# KiCad board k410t-devboard.kicad_pcb (continued)
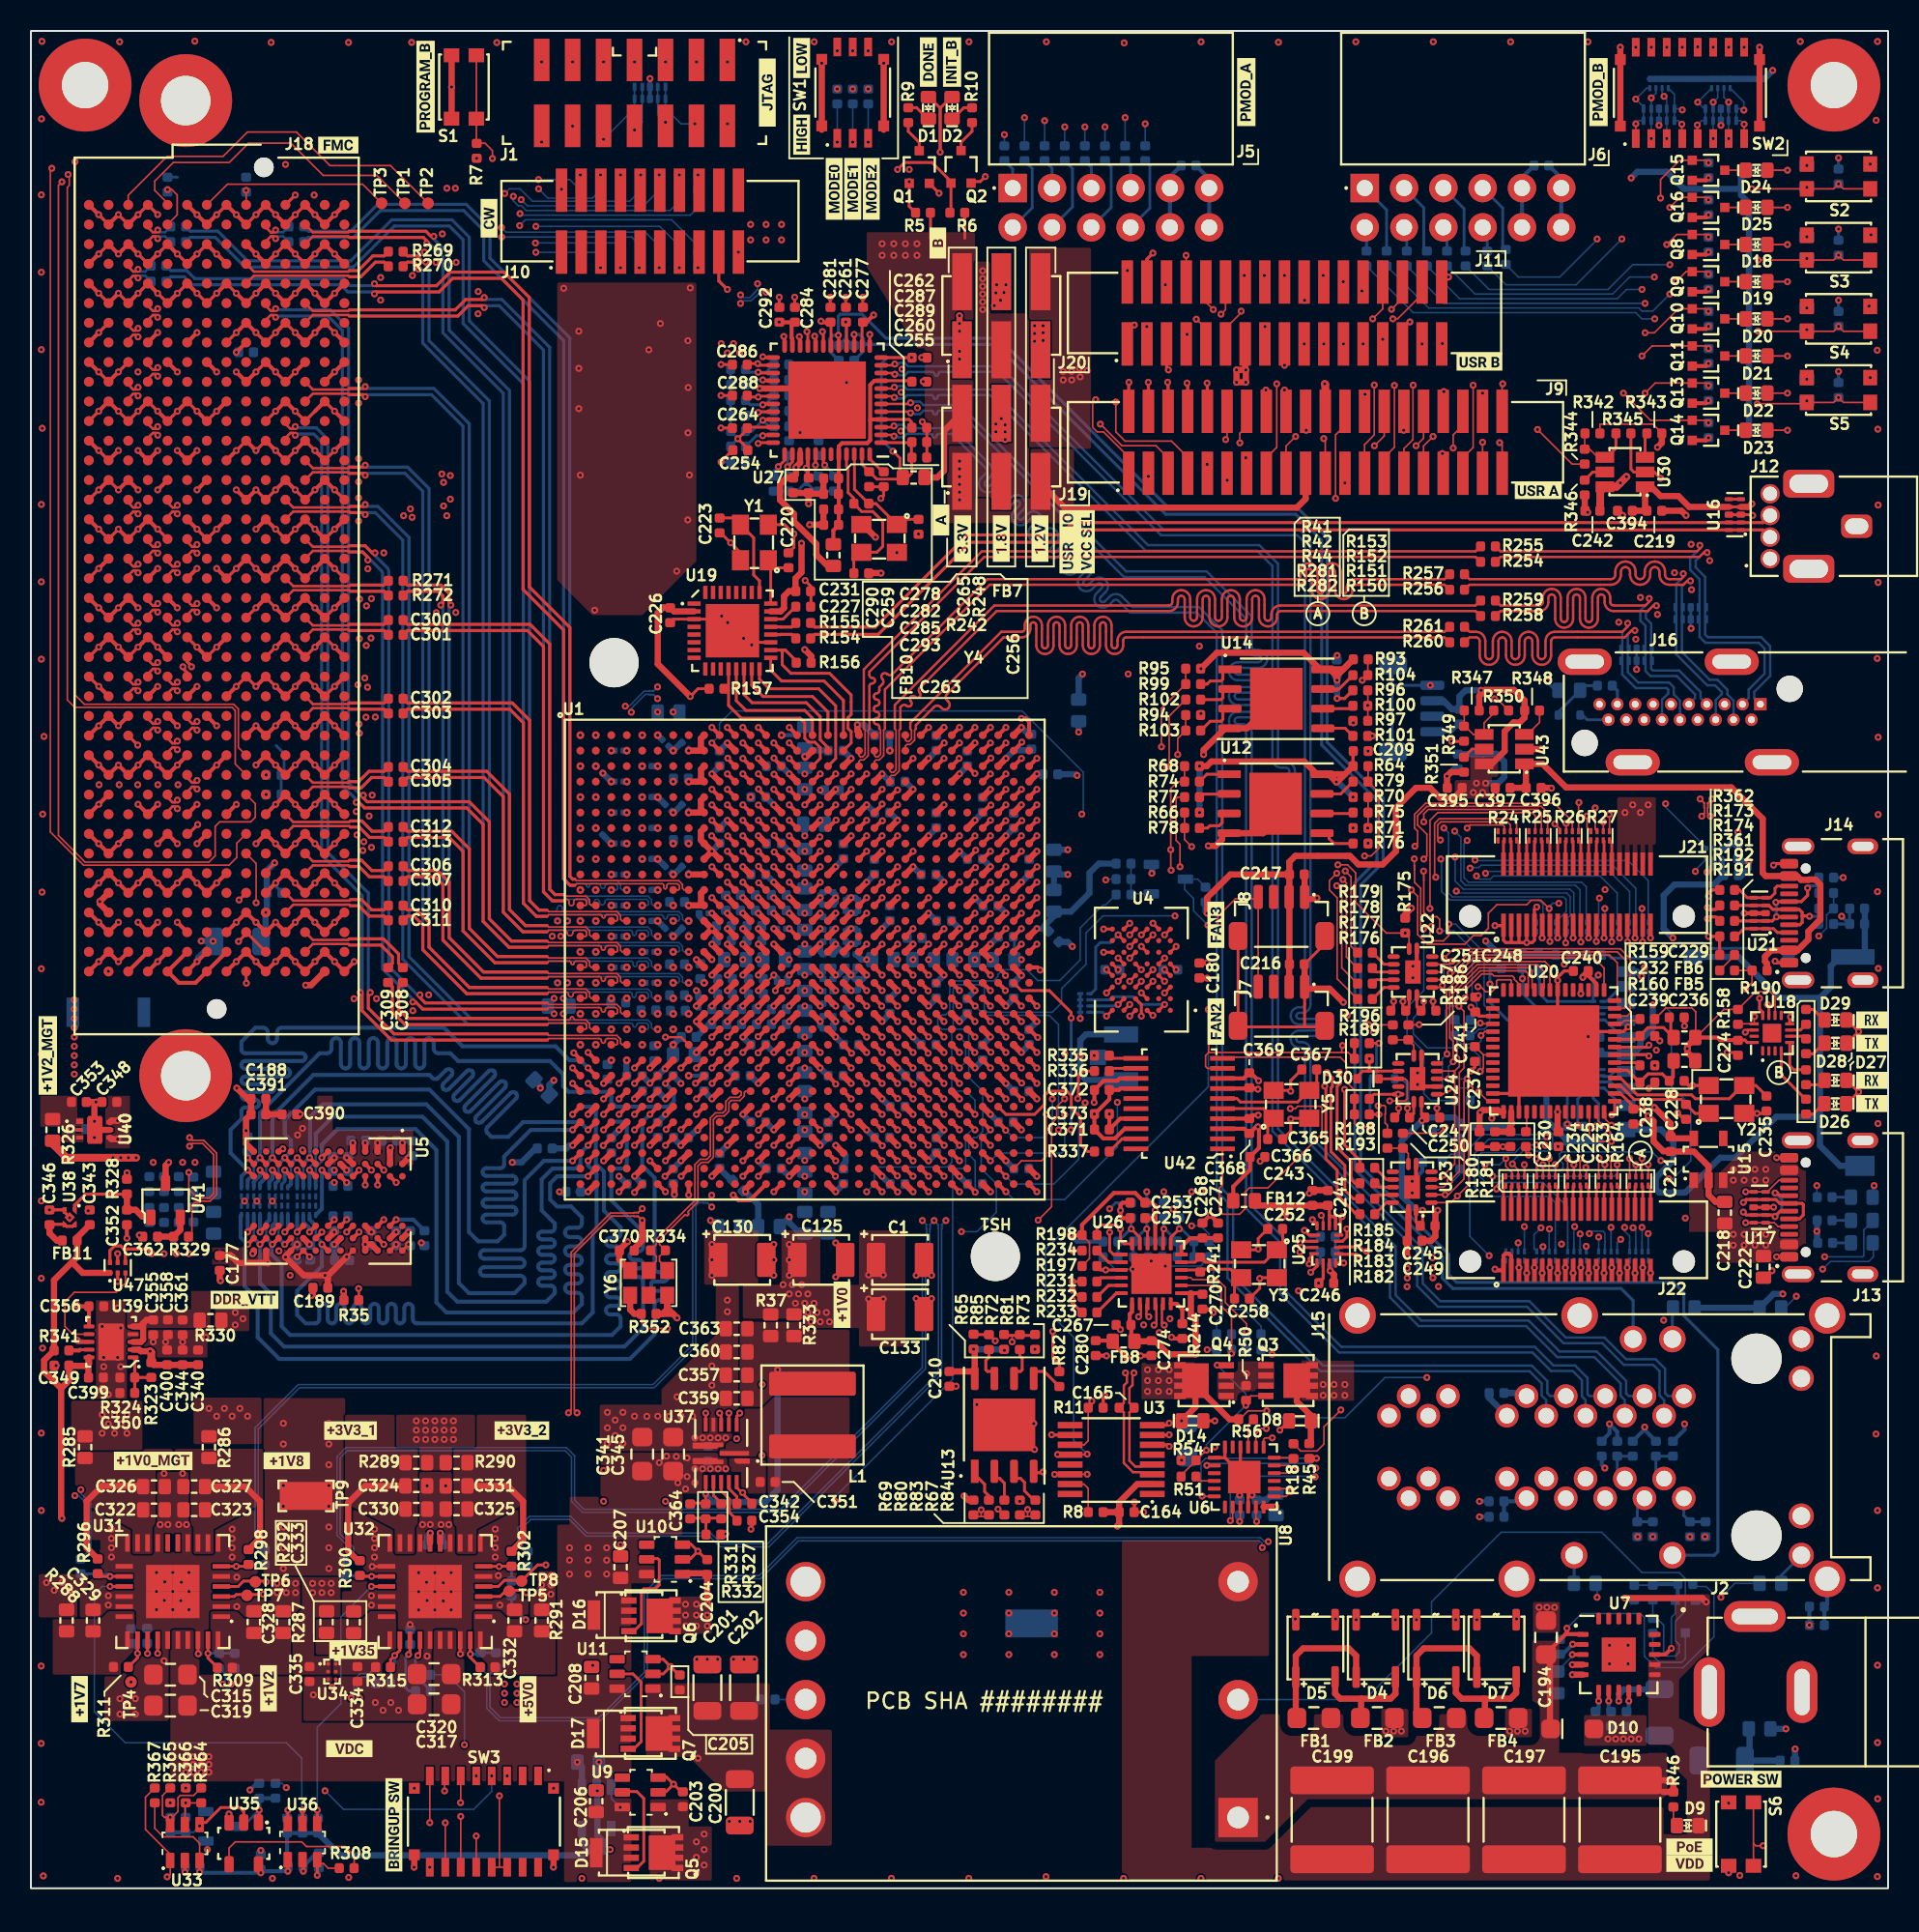
[diagram p0: board, top side]
## Placement (name value [footprint] x y rotation side) (continued)
C294  C_100n_0402  [C_0402_1005Metric]  23.15 48.3 180 bottom
C295  C_100n_0402  [C_0402_1005Metric]  20.5 46.8 90 bottom
C296  C_100n_0402  [C_0402_1005Metric]  15.75 64.31 180 bottom
C297  C_47u_16V_1206  [C_1206_3216Metric]  13.36 61.17 0 bottom
C298  C_100n_0402  [C_0402_1005Metric]  17.15 107.36 180 bottom
C299  C_100n_0402  [C_0402_1005Metric]  17.15 106.36 180 bottom
C300  C_100n_0402  [C_0402_1005Metric]  23.57 81.94 180 top
C301  C_100n_0402  [C_0402_1005Metric]  23.57 80.98 180 top
C302  C_100n_0402  [C_0402_1005Metric]  23.57 76.86 180 top
C303  C_100n_0402  [C_0402_1005Metric]  23.57 75.9 180 top
C304  C_100n_0402  [C_0402_1005Metric]  23.57 72.44 180 top
C305  C_100n_0402  [C_0402_1005Metric]  23.57 71.49 180 top
C306  C_100n_0402  [C_0402_1005Metric]  23.57 66.03 180 top
C307  C_100n_0402  [C_0402_1005Metric]  23.57 65.08 180 top
C308  C_100n_0402  [C_0402_1005Metric]  24.03 59 90 top
C309  C_100n_0402  [C_0402_1005Metric]  23.08 59 90 top
C310  C_100n_0402  [C_0402_1005Metric]  23.57 63.49 180 top
C311  C_100n_0402  [C_0402_1005Metric]  23.57 62.54 180 top
C312  C_100n_0402  [C_0402_1005Metric]  23.57 68.57 180 top
C313  C_100n_0402  [C_0402_1005Metric]  23.57 67.62 180 top
C314  C_1u_25V_0603  [C_0603_1608Metric]  36 8.15 0 bottom
C315  C_22u_25V_0805  [C_0805_2012Metric]  9.01 13.8 0 top
C316  C_1u_0402  [C_0402_1005Metric]  7.51 16.31 270 bottom
C317  C_22u_25V_0805  [C_0805_2012Metric]  26.05 11.89 0 top
C318  C_1u_0402  [C_0402_1005Metric]  24.5 16.24 270 bottom
C319  C_22u_25V_0805  [C_0805_2012Metric]  9.01 11.8 0 top
C320  C_22u_25V_0805  [C_0805_2012Metric]  26.05 13.84 0 top
C321  C_1u_0402  [C_0402_1005Metric]  36.5 2.5 180 bottom
C322  C_22u_0603  [C_0603_1608Metric]  7.95 24.45 180 top
C323  C_22u_0603  [C_0603_1608Metric]  10.55 24.45 0 top
C324  C_22u_0603  [C_0603_1608Metric]  24.9 26 180 top
C325  C_22u_0603  [C_0603_1608Metric]  27.5 24.5 0 top
C326  C_22u_0603  [C_0603_1608Metric]  7.95 25.95 180 top
C327  C_22u_0603  [C_0603_1608Metric]  10.55 25.95 0 top
C328  C_22u_0603  [C_0603_1608Metric]  14.4 17.2 270 top
C329  C_22u_0603  [C_0603_1608Metric]  4.01 17.3 270 top
C330  C_22u_0603  [C_0603_1608Metric]  24.9 24.5 180 top
C331  C_22u_0603  [C_0603_1608Metric]  27.5 26 0 top
C332  C_22u_0603  [C_0603_1608Metric]  31.25 17.3 270 top
C333  C_22u_0603  [C_0603_1608Metric]  20.85 17.19 270 top
C334  C_1u_0402  [C_0402_1005Metric]  21.1 13.84 90 top
C335  C_1u_0402  [C_0402_1005Metric]  18 13.84 90 top
C336  C_100n_0402  [C_0402_1005Metric]  10.45 1.4 0 bottom
C337  C_100n_0402  [C_0402_1005Metric]  14.85 1.7 270 bottom
C338  C_100n_0402  [C_0402_1005Metric]  17.1 1.4 180 bottom
C339  C_100n_0402  [C_0402_1005Metric]  18.6 1.8 270 bottom
C340  C_10u_0402  [C_0402_1005Metric]  10.8 34.3 270 top
C341  C_22u_25V_0805  [C_0805_2012Metric]  39.5 28.05 270 top
C342  C_470n_0402  [C_0402_1005Metric]  46.1 24.85 180 top
C343  C_100n_0402  [C_0402_1005Metric]  3.8 43.35 270 top
C344  C_10u_0402  [C_0402_1005Metric]  9.8 34.3 270 top
C345  C_22u_25V_0805  [C_0805_2012Metric]  41.5 28.05 270 top
C346  C_1u_0402  [C_0402_1005Metric]  1.2 43.35 270 top
C347  C_100n_0402  [C_0402_1005Metric]  43.75 28.07 270 bottom
C348  C_1u_0402  [C_0402_1005Metric]  5.07 50.8 0 top
C349  C_10u_0402  [C_0402_1005Metric]  1.97 33.78 0 top
C350  C_1n_0402  [C_0402_1005Metric]  6.22 32 0 top
C351  C_100n_0402  [C_0402_1005Metric]  47.6 26.25 180 top
C352  C_1u_0402  [C_0402_1005Metric]  6.2 45.34 270 top
C353  C_10u_0402  [C_0402_1005Metric]  3.1 50.8 180 top
C354  C_22n_0402  [C_0402_1005Metric]  46.1 23.75 180 top
C355  C_10u_0402  [C_0402_1005Metric]  7.9 36.24 90 top
C356  C_100n_0402  [C_0402_1005Metric]  4.22 37.6 180 top
C357  C_22u_0603  [C_0603_1608Metric]  45.6 33.15 0 top
C358  C_10u_0402  [C_0402_1005Metric]  8.85 36.25 90 top
C359  C_22u_0603  [C_0603_1608Metric]  45.6 31.65 0 top
C360  C_22u_0603  [C_0603_1608Metric]  45.6 34.65 0 top
C361  C_10u_0402  [C_0402_1005Metric]  9.8 36.24 90 top
C362  C_100n_0402  [C_0402_1005Metric]  7.7 42.1 0 top
C363  C_22u_0603  [C_0603_1608Metric]  45.6 36.15 0 top
C364  C_22p_0402  [C_0402_1005Metric]  42.6 24.35 90 top
C365  C_22p_0402  [C_0402_1005Metric]  80.4 48.4 180 top
C366  C_10u_0402  [C_0402_1005Metric]  79.25 47.25 180 top
C367  C_22p_0402  [C_0402_1005Metric]  82.6 52.9 0 top
C368  C_100n_0402  [C_0402_1005Metric]  78.72 49.25 270 top
C369  C_100n_0402  [C_0402_1005Metric]  78.72 52.2 270 top
C370  C_100n_0402  [C_0402_1005Metric]  38.5 41.2 180 top
C371  C_100n_0402  [C_0402_1005Metric]  69.2 49.03 0 top
C372  C_100n_0402  [C_0402_1005Metric]  69.2 51.57 180 top
C373  C_10u_0402  [C_0402_1005Metric]  69.2 50.03 180 top
C374  C_100n_0402  [C_0402_1005Metric]  42.01 48.5 180 bottom
C375  C_100n_0402  [C_0402_1005Metric]  40 51.5 0 bottom
C376  C_47u_0603  [C_0603_1608Metric]  50 61.22 270 bottom
C377  C_47u_0603  [C_0603_1608Metric]  50 63.9 270 bottom
C378  C_47u_0603  [C_0603_1608Metric]  50 66.45 270 bottom
C379  C_47u_0603  [C_0603_1608Metric]  48.03 60 0 bottom
C380  C_47u_0603  [C_0603_1608Metric]  50 48.2 90 bottom
C381  C_47u_0603  [C_0603_1608Metric]  51.5 43 90 bottom
C382  C_47u_0603  [C_0603_1608Metric]  55.05 60 180 bottom
C383  C_47u_0603  [C_0603_1608Metric]  57.65 60 180 bottom
C384  C_47u_0603  [C_0603_1608Metric]  50 58.68 270 bottom
C385  C_47u_0603  [C_0603_1608Metric]  50 56 90 bottom
C386  C_47u_0603  [C_0603_1608Metric]  50 53.4 90 bottom
C387  C_47u_0603  [C_0603_1608Metric]  50 43 90 bottom
C388  C_100n_0201  [C_0201]  48.5 62 0 bottom
C389  C_100n_0402  [C_0402_1005Metric]  24.65 47.8 270 bottom
C390  C_100n_0402  [C_0402_1005Metric]  16.7 50 180 top
C391  C_100n_0402  [C_0402_1005Metric]  14.7 50 0 top
C392  C_100n_0402  [C_0402_1005Metric]  19.5 46.8 90 bottom
C393  C_100n_0402  [C_0402_1005Metric]  118 62.3 0 bottom
C394  C_100n_0402  [C_0402_1005Metric]  103 89 0 top
C395  C_100n_0402  [C_0402_1005Metric]  92 71.1 0 top
C396  C_100n_0402  [C_0402_1005Metric]  97.1 71.1 180 top
C397  C_10u_0402  [C_0402_1005Metric]  95.1 71.1 0 top
C398  C_100n_0402  [C_0402_1005Metric]  101.7 77.7 180 bottom
C399  C_100n_0402  [C_0402_1005Metric]  4.2 33 180 top
C400  C_100n_0402  [C_0402_1005Metric]  8.8 34.3 270 top
C401  C_100n_0402  [C_0402_1005Metric]  109.85 65.45 180 bottom
C402  C_100n_0402  [C_0402_1005Metric]  110.3 67 90 bottom
D1  LED_G_0603_KP-1608CGCK  [LED_0603_1608Metric_G]  57.99 115.03 90 top
D2  LED_G_0603_KP-1608CGCK  [LED_0603_1608Metric_G]  59.52 115.03 90 top
D3  ESDA25P35-1U1M  [QFN-2L_1.6x1x0.55mm]  111.7 10.3 0 bottom
D4  CD-MMBL110S  [DFN3538]  86.9 15.5 180 top
D5  CD-MMBL110S  [DFN3538]  83 15.5 180 top
D6  CD-MMBL110S  [DFN3538]  90.8 15.5 180 top
D7  CD-MMBL110S  [DFN3538]  94.7 15.5 180 top
D8  ESDA25P35-1U1M  [QFN-2L_1.6x1x0.55mm]  82 30.2 180 top
D9  LED_R_0603_KP-1608EC  [LED_0603_1608Metric_R]  107.06 4.05 180 top
D10  PTVS58VS1UR,115  [D_SOD-123F]  99.6 10.3 0 top
D11  LED_B_0603_KP-1608QBC-D  [LED_0603_1608Metric_B]  118.3 41.7 180 bottom
D12  LED_G_0603_KP-1608CGCK  [LED_0603_1608Metric_G]  118.3 43.15 180 bottom
D13  LED_R_0603_KP-1608EC  [LED_0603_1608Metric_R]  118.3 44.65 180 bottom
D14  ESDA25P35-1U1M  [QFN-2L_1.6x1x0.55mm]  75.05 30.2 0 top
D15  PMEG3050EP,115  [Nexperia_SOD128]  38.82 2.3 0 top
D16  PMEG3050EP,115  [Nexperia_SOD128]  38.68 17.65 0 top
D17  PMEG3050EP,115  [Nexperia_SOD128]  38.62 10 0 top
D18  LED_G_0603_KP-1608CGCK  [LED_0603_1608Metric_G]  111.5 106.2 0 top
D19  LED_G_0603_KP-1608CGCK  [LED_0603_1608Metric_G]  111.5 103.8 0 top
D20  LED_G_0603_KP-1608CGCK  [LED_0603_1608Metric_G]  111.5 101.4 0 top
D21  LED_G_0603_KP-1608CGCK  [LED_0603_1608Metric_G]  111.5 99 0 top
D22  LED_G_0603_KP-1608CGCK  [LED_0603_1608Metric_G]  111.5 96.6 0 top
D23  LED_G_0603_KP-1608CGCK  [LED_0603_1608Metric_G]  111.5 94.2 0 top
D24  LED_R_0603_KP-1608EC  [LED_0603_1608Metric_R]  111.5 111 0 top
D25  LED_B_0603_KP-1608QBC-D  [LED_0603_1608Metric_B]  111.5 108.6 0 top
D26  LED_G_0603_KP-1608CGCK  [LED_0603_1608Metric_G]  116.58 50.69 180 top
D27  LED_G_0603_KP-1608CGCK  [LED_0603_1608Metric_G]  116.6 52.2 180 top
D28  LED_G_0603_KP-1608CGCK  [LED_0603_1608Metric_G]  116.6 54.6 180 top
D29  LED_G_0603_KP-1608CGCK  [LED_0603_1608Metric_G]  116.6 56.1 180 top
D30  BAT54-02V-G3-08  [SOD-523]  86.4 52.3 180 top
D31  BAT54-02V-G3-08  [SOD-523]  99.4 75.8 180 bottom
D32  PMEG3050EP,115  [Nexperia_SOD128]  5 56.6 180 bottom
D33  BZX84C5V1-TP  [SOT-23-3]  12.4 4 0 bottom
D34  ESDA25P35-1U1M  [QFN-2L_1.6x1x0.55mm]  114.75 106 90 bottom
D35  ESDA25P35-1U1M  [QFN-2L_1.6x1x0.55mm]  114.75 110.6 90 bottom
D36  ESDA25P35-1U1M  [QFN-2L_1.6x1x0.55mm]  114.75 96.8 90 bottom
D37  ESDA25P35-1U1M  [QFN-2L_1.6x1x0.55mm]  114.75 101.4 90 bottom
D38  BAT54-02V-G3-08  [SOD-523]  87.43 52.3 0 bottom
F1  F_10A_1206  [F_1206_3216Metric]  109.25 8.25 0 bottom
FB1  FB_220Z_2A_Murata-BLM21PG_0805  [FB_0805_2012Metric]  82.9 11 0 top
FB2  FB_220Z_2A_Murata-BLM21PG_0805  [FB_0805_2012Metric]  87 11 0 top
FB3  FB_220Z_2A_Murata-BLM21PG_0805  [FB_0805_2012Metric]  91 11 0 top
FB4  FB_220Z_2A_Murata-BLM21PG_0805  [FB_0805_2012Metric]  95 11 0 top
FB5  FB_600Z_0.5A_Murata-BLM18AG_0603  [FB_0603_1608Metric]  106.85 53.47 180 top
FB6  FB_600Z_0.5A_Murata-BLM18AG_0603  [FB_0603_1608Metric]  106.85 54.97 180 top
FB7  FB_120Z_2A_Murata-BLM18PG_0603  [FB_0603_1608Metric]  57.04 91.15 180 top
FB8  FB_120Z_2A_Murata-BLM18PG_0603  [FB_0603_1608Metric]  70.6 35.34 180 top
FB9  FB_120Z_2A_Murata-BLM18PG_0603  [FB_0603_1608Metric]  99.4 77.4 0 bottom
FB10  FB_120Z_2A_Murata-BLM18PG_0603  [FB_0603_1608Metric]  51.85 86.13 90 top
FB11  FB_120Z_1.3A_Murata-BLM15PD_0402  [FB_0402_1005Metric]  2.5 41.85 180 top
FB12  FB_120Z_2A_Murata-BLM18PG_0603  [FB_0603_1608Metric]  78.39 44.42 0 top
HS1  -  [Heatsink_960-31-18-S-AB-0]  50 60 90 top
J1  -  [PinHeader_2x7_P2mm_SMD_Shrouded_no-locator]  39 116 180 top
J2  -  [BarrelJack_Pin2mm_MJ-179PH]  108.44 12.68 0 top
J3  U_FL-R-SMT-1  [Coax_Conn_U.FL]  70.44 53.7 90 bottom
J4  JST_SH_1x4_BM04B-SRSS-TB-LF-SN  [Conn_JST_SH_1x4_BM04B-SRSS-TB-LF-SN]  89.1 76.22 180 bottom
J5  -  [PinSocket_2x6_P2.54mm_Drill1.04mm_Horizontal]  63.44 109.85 0 top
J6  -  [PinSocket_2x6_P2.54mm_Drill1.04mm_Horizontal]  86.19 109.85 0 top
J7  JST_SH_1x4_BM04B-SRSS-TB-LF-SN  [Conn_JST_SH_1x4_BM04B-SRSS-TB-LF-SN]  80.8 56.8 270 top
J8  JST_SH_1x4_BM04B-SRSS-TB-LF-SN  [Conn_JST_SH_1x4_BM04B-SRSS-TB-LF-SN]  80.8 62.6 270 top
J9  -  [PinHeader_2x20_P1.27mm_SMD_Shrouded]  83 93.42 0 top
J10  -  [PinHeader_2x10_P1.27mm_SMD_Shrouded]  40 107.71 0 top
J11  -  [PinHeader_2x17_P1.27mm_SMD_Shrouded]  81 101.78 0 top
J12  USB-A_WE_614004184726  [USB-A_Receptacle_WE_614004184726]  112.38 85.9 90 top
J13  USB-C_GCT_USB4105-GF-A  [USB-C_Receptacle_GCT_USB4105-GF-A]  117.11 44 90 top
J14  USB-C_GCT_USB4105-GF-A  [USB-C_Receptacle_GCT_USB4105-GF-A]  117.11 63 90 top
J15  -  [0895-2C1R-GVH]  111.5 28.5 90 top
J16  HDMI-A_TE_2007435-1  [HDMI-A_Receptacle_TE_2007435-1]  111.75 76.5 90 top
J18  -  [ASP-184329-01_mounting_holes]  12 84 90 top
J19  -  [PinHeader_2x3_P2.54mm_SMD]  62.7 93.1 0 top
J20  -  [PinHeader_2x3_P2.54mm_SMD]  62.7 101.6 0 top
J21  Socket_Samtec_ERF5_2x20_ERF5-020-05.0-L-DV-K-TR  [Conn_Socket_Samtec_ERF5_2x20_ERF5-020-05.0-L-DV-K-TR]  99.9 64.2 0 top
J22  Socket_Samtec_ERF5_2x20_ERF5-020-05.0-L-DV-K-TR  [Conn_Socket_Samtec_ERF5_2x20_ERF5-020-05.0-L-DV-K-TR]  99.9 41.9 0 top
J23  DM3AT-SF-PEJM5  [MicroSD_DM3AT-SF-PEJM5]  111.03 53.32 270 bottom
kibuzzard-63C15B7C  G***  [kibuzzard-63C15B7C]  118.94 56.1 0 top
kibuzzard-63C15B7C#2  G***  [kibuzzard-63C15B7C]  118.94 52.2 0 top
kibuzzard-63C15B91  G***  [kibuzzard-63C15B91]  118.94 54.6 0 top
kibuzzard-63C15B91#2  G***  [kibuzzard-63C15B91]  118.94 50.7 0 top
kibuzzard-63E0C2CE  G***  [kibuzzard-63E0C2CE]  58.8 88.4 90 top
kibuzzard-63E0C2F4  G***  [kibuzzard-63E0C2F4]  58.6 106.3 90 top
kibuzzard-63E0C26F  G***  [kibuzzard-63E0C26F]  62.7 87.2 90 top
kibuzzard-63E0C41A  G***  [kibuzzard-63E0C41A]  97.4 90.3 0 top
kibuzzard-63E0C42A  G***  [kibuzzard-63E0C42A]  93.6 98.6 0 top
kibuzzard-63E0C255  G***  [kibuzzard-63E0C255]  60.2 87.2 90 top
kibuzzard-63E0C284  G***  [kibuzzard-63E0C284]  65.2 87.2 90 top
kibuzzard-63E0C498  G***  [kibuzzard-63E0C498]  67.6 87 90 top
kibuzzard-6408AC1B  G***  [kibuzzard-6408AC1B]  107.17 1.6 0 top
kibuzzard-6408AC4A  G***  [kibuzzard-6408AC4A]  107.17 2.68 0 top
kibuzzard-64074DAF  G***  [kibuzzard-64074DAF]  31.72 29.57 0 top
kibuzzard-64074DBD  G***  [kibuzzard-64074DBD]  20.65 29.57 0 top
kibuzzard-64074DEB  G***  [kibuzzard-64074DEB]  7.9 27.61 0 top
kibuzzard-64074E17  G***  [kibuzzard-64074E17]  13.8 38.02 0 top
kibuzzard-64088E2C  G***  [kibuzzard-64088E2C]  110.5 7.05 0 top
kibuzzard-640601D3  G***  [kibuzzard-640601D3]  59.52 117.99 90 top
kibuzzard-640601E0  G***  [kibuzzard-640601E0]  57.99 117.99 90 top
kibuzzard-640602B5  G***  [kibuzzard-640602B5]  51.9 109.8 90 top
kibuzzard-640602C1  G***  [kibuzzard-640602C1]  54.3 109.8 90 top
kibuzzard-640741AC  G***  [kibuzzard-640741AC]  78.53 116.05 90 top
kibuzzard-640741BA  G***  [kibuzzard-640741BA]  101.29 116.05 90 top
kibuzzard-640742EA  G***  [kibuzzard-640742EA]  29.6 107.9 90 top
kibuzzard-640744EC  G***  [kibuzzard-640744EC]  52.41 37.7 90 top
kibuzzard-640746B6  G***  [kibuzzard-640746B6]  16.53 27.62 0 top
kibuzzard-640748BD  G***  [kibuzzard-640748BD]  15.35 12.92 90 top
kibuzzard-640748F3  G***  [kibuzzard-640748F3]  20.57 9.02 0 top
kibuzzard-640749EC  G***  [kibuzzard-640749EC]  32.12 12.21 90 top
kibuzzard-640755F8  G***  [kibuzzard-640755F8]  1.09 53.81 90 top
kibuzzard-6406037D  G***  [kibuzzard-6406037D]  25.5 116.4 90 top
kibuzzard-6406054B  G***  [kibuzzard-6406054B]  49.8 118.25 90 top
kibuzzard-6407415F  G***  [kibuzzard-6407415F]  19.86 112.63 0 top
kibuzzard-6407492B  G***  [kibuzzard-6407492B]  20.83 15.37 0 top
kibuzzard-6408925D  G***  [kibuzzard-6408925D]  76.57 62.25 90 top
kibuzzard-64060195  G***  [kibuzzard-64060195]  53.1 109.8 90 top
kibuzzard-64060535  G***  [kibuzzard-64060535]  49.8 113.3 90 top
kibuzzard-64072983  G***  [kibuzzard-64072983]  23.45 4.1 90 top
kibuzzard-64074232  G***  [kibuzzard-64074232]  47.58 116.02 90 top
kibuzzard-64074872  G***  [kibuzzard-64074872]  3.14 12.22 90 top
kibuzzard-64089229  G***  [kibuzzard-64089229]  76.57 56 90 top
kibuzzard-64089274  G***  [kibuzzard-64089274]  92.02 78.12 270 bottom
L1  L_1u5_17A_Bourns-SRP6050CA  [L_Bourns-SRP6050CA]  50.5 30.58 90 top
MH2  -  [MP_Pad6mm_Drill3mm]  116.5 3.5 0 top
MH3  -  [MP_Pad6mm_Drill3mm]  116.5 116.5 0 top
MH4  -  [MP_Pad6mm_Drill3mm]  3.5 116.5 0 top
NT1  Net-Tie_2  [NetTie-2_SMD_Pad0.127mm]  10.77 44.3 0 top
NT2  Net-Tie_2  [NetTie-2_SMD_Pad0.127mm]  10.77 44.7 0 top
NT3  Net-Tie_2  [NetTie-2_SMD_Pad0.127mm]  97.7 46.4 90 top
NT4  Net-Tie_2  [NetTie-2_SMD_Pad0.127mm]  99.3 46.4 90 top
NT5  Net-Tie_2  [NetTie-2_SMD_Pad0.127mm]  101.7 41.6 90 bottom
NT6  Net-Tie_2  [NetTie-2_SMD_Pad0.127mm]  99.3 41.6 90 bottom
NT7  Net-Tie_2  [NetTie-2_SMD_Pad0.127mm]  98.5 41.6 90 bottom
NT8  Net-Tie_2  [NetTie-2_SMD_Pad0.127mm]  99.7 41.6 90 bottom
NT9  Net-Tie_2  [NetTie-2_SMD_Pad0.127mm]  103.3 41.6 270 bottom
NT10  Net-Tie_2  [NetTie-2_SMD_Pad0.127mm]  102.5 41.6 270 bottom
NT11  Net-Tie_2  [NetTie-2_SMD_Pad0.127mm]  104.1 41.6 270 bottom
NT12  Net-Tie_2  [NetTie-2_SMD_Pad0.127mm]  103.7 41.6 270 bottom
NT13  Net-Tie_2  [NetTie-2_SMD_Pad0.127mm]  100.1 41.6 270 bottom
NT14  Net-Tie_2  [NetTie-2_SMD_Pad0.127mm]  102.1 46.5 270 top
NT15  Net-Tie_2  [NetTie-2_SMD_Pad0.127mm]  89.4 65.93 270 top
NT16  Net-Tie_2  [NetTie-2_SMD_Pad0.127mm]  90 65.27 270 top
NT17  Net-Tie_2  [NetTie-2_SMD_Pad0.127mm]  98.24 63.55 45 bottom
NT18  Net-Tie_2  [NetTie-2_SMD_Pad0.127mm]  90.4 61.63 270 top
NT19  Net-Tie_2  [NetTie-2_SMD_Pad0.127mm]  101.7 62.8 90 bottom
NT20  Net-Tie_2  [NetTie-2_SMD_Pad0.127mm]  99.7 46.4 270 top
NT21  Net-Tie_2  [NetTie-2_SMD_Pad0.127mm]  97.3 46.4 90 top
NT22  Net-Tie_2  [NetTie-2_SMD_Pad0.127mm]  104.1 62.8 270 bottom
NT23  Net-Tie_2  [NetTie-2_SMD_Pad0.127mm]  96.5 46.4 270 top
NT24  Net-Tie_2  [NetTie-2_SMD_Pad0.127mm]  47.76 58.76 225 top
NT25  Net-Tie_2  [NetTie-2_SMD_Pad0.127mm]  108.36 69.96 270 top
NT26  Net-Tie_2  [NetTie-2_SMD_Pad0.127mm]  108.12 69.96 90 top
NT27  Net-Tie_2  [NetTie-2_SMD_Pad0.127mm]  39.1 43.41 180 top
NT28  Net-Tie_2  [NetTie-2_SMD_Pad0.127mm]  39.1 43.65 0 top
NT29  Net-Tie_2  [NetTie-2_SMD_Pad0.127mm]  57.86 42.74 270 bottom
NT30  Net-Tie_2  [NetTie-2_SMD_Pad0.127mm]  58.86 42.74 270 bottom
NT31  Net-Tie_2  [NetTie-2_SMD_Pad0.127mm]  58.1 42.74 90 bottom
NT32  Net-Tie_2  [NetTie-2_SMD_Pad0.127mm]  58.62 42.74 90 bottom
NT33  Net-Tie_2  [NetTie-2_SMD_Pad0.127mm]  40.09 77.36 0 bottom
NT34  Net-Tie_2  [NetTie-2_SMD_Pad0.127mm]  40.09 77.12 180 bottom
NT35  Net-Tie_2  [NetTie-2_SMD_Pad0.127mm]  43.59 44.52 180 bottom
NT36  Net-Tie_2  [NetTie-2_SMD_Pad0.127mm]  43.59 44.28 0 bottom
NT37  Net-Tie_2  [NetTie-2_SMD_Pad0.127mm]  46.76 103.1 225 bottom
NT38  Net-Tie_2  [NetTie-2_SMD_Pad0.127mm]  46.92 102.92 45 bottom
NT39  Net-Tie_2  [NetTie-2_SMD_Pad0.127mm]  8.5 4.99 270 top
Q1  BSS138PW  [SC70-3]  57.4 111.21 90 top
Q2  BSS138PW  [SC70-3]  60.1 111.22 90 top
Q3  SI7613DN-T1-GE3  [Vishay_PowerPAK_1212-8_Single]  81.24 32.8 0 top
Q4  SI7613DN-T1-GE3  [Vishay_PowerPAK_1212-8_Single]  75.8 32.8 180 top
Q5  SI7613DN-T1-GE3  [Vishay_PowerPAK_1212-8_Single]  40.22 2.3 0 top
Q6  SI7613DN-T1-GE3  [Vishay_PowerPAK_1212-8_Single]  40.07 17.6 0 top
Q7  SI7613DN-T1-GE3  [Vishay_PowerPAK_1212-8_Single]  40.03 10 0 top
Q8  BSS138PW  [SC70-3]  108.4 106.2 0 top
Q9  BSS138PW  [SC70-3]  108.4 103.8 0 top
Q10  BSS138PW  [SC70-3]  108.4 101.4 0 top
Q11  BSS138PW  [SC70-3]  108.4 99 0 top
Q12  IRLML6344TRPBF  [SOT-23-3]  73.5 65.2 0 bottom
Q13  BSS138PW  [SC70-3]  108.4 96.6 0 top
Q14  BSS138PW  [SC70-3]  108.4 94.2 0 top
Q15  BSS138PW  [SC70-3]  108.4 111 0 top
Q16  BSS138PW  [SC70-3]  108.4 108.6 0 top
Q17  BSS138PW  [SC70-3]  90.55 47.95 90 bottom
Q18  BSS138PW  [SC70-3]  106.9 17.55 270 bottom
R1  R_100R_0402  [R_0402_1005Metric]  41.8 56.7 180 bottom
R2  R_10k_0402  [R_0402_1005Metric]  54.1 115.77 90 bottom
R3  R_10k_0402  [R_0402_1005Metric]  53.1 115.77 270 bottom
R4  R_10k_0402  [R_0402_1005Metric]  52.1 115.77 90 bottom
R5  R_10k_0402  [R_0402_1005Metric]  57.64 108.26 0 top
R6  R_10k_0402  [R_0402_1005Metric]  59.86 108.26 0 top
R7  R_10k_0402  [R_0402_1005Metric]  28.8 112.25 270 top
R8  R_10k_0402  [R_0402_1005Metric]  68.8 24.3 0 top
R9  R_330R_0402  [R_0402_1005Metric]  56.69 114.56 270 top
R10  R_330R_0402  [R_0402_1005Metric]  60.81 114.56 270 top
R11  R_10k_0402  [R_0402_1005Metric]  68.8 31.05 0 top
R12  4x39R_0201_array  [R_Array_4x0201_Panasonic_EXB18V]  17.8 45 0 bottom
R13  4x39R_0201_array  [R_Array_4x0201_Panasonic_EXB18V]  14.2 45 0 bottom
R14  4x39R_0201_array  [R_Array_4x0201_Panasonic_EXB18V]  16 45 0 bottom
R15  4x39R_0201_array  [R_Array_4x0201_Panasonic_EXB18V]  16 43.8 180 bottom
R16  4x39R_0201_array  [R_Array_4x0201_Panasonic_EXB18V]  14.2 43.8 180 bottom
R17  4x39R_0201_array  [R_Array_4x0201_Panasonic_EXB18V]  17.8 43.8 180 bottom
R18  R_0R_0402  [R_0402_1005Metric]  81.58 28.24 270 top
R19  R_0R_0402  [R_0402_1005Metric]  70.6 65.2 0 bottom
R20  R_4x33R_0201_array  [R_Array_4x0201_Panasonic_EXB18V]  97.9 62.1 0 bottom
R21  R_4x33R_0201_array  [R_Array_4x0201_Panasonic_EXB18V]  99.9 62.1 0 bottom
R22  R_4x33R_0201_array  [R_Array_4x0201_Panasonic_EXB18V]  101.9 62.1 0 bottom
R23  R_4x33R_0201_array  [R_Array_4x0201_Panasonic_EXB18V]  103.9 62.1 0 bottom
R24  R_4x33R_0201_array  [R_Array_4x0201_Panasonic_EXB18V]  95.4 68 0 top
R25  R_4x33R_0201_array  [R_Array_4x0201_Panasonic_EXB18V]  97.4 68 0 top
R26  R_4x33R_0201_array  [R_Array_4x0201_Panasonic_EXB18V]  99.4 68 0 top
R27  R_4x33R_0201_array  [R_Array_4x0201_Panasonic_EXB18V]  101.4 68 0 top
R28  R_4x33R_0201_array  [R_Array_4x0201_Panasonic_EXB18V]  95.9 40.85 0 bottom
R29  R_4x33R_0201_array  [R_Array_4x0201_Panasonic_EXB18V]  97.9 40.85 0 bottom
R30  R_4x33R_0201_array  [R_Array_4x0201_Panasonic_EXB18V]  99.9 40.85 0 bottom
R31  R_4x33R_0201_array  [R_Array_4x0201_Panasonic_EXB18V]  101.9 40.85 0 bottom
R32  R_100R_0402  [R_0402_1005Metric]  20 43.43 180 bottom
R33  R_4x33R_0201_array  [R_Array_4x0201_Panasonic_EXB18V]  103.9 40.85 0 bottom
R34  R_10k_0402  [R_0402_1005Metric]  14 48.07 270 bottom
R35  R_240R_0402  [R_0402_1005Metric]  20.7 38 0 top
R36  4x10k_0201_array  [R_Array_4x0201_Panasonic_EXB18V]  68.1 57.2 270 bottom
R37  R_0R_22.4A_0603  [R_0603_1608Metric]  47.8 36.38 90 top
R38  R_100k_0402  [R_0402_1005Metric]  106.9 19.65 0 bottom
R39  R_0R_0402  [R_0402_1005Metric]  104.8 19.1 270 bottom
R40  R_40R2_0402  [R_0402_1005Metric]  25.42 42 270 bottom
R41  R_4x33R_0201_array  [R_Array_4x0201_Panasonic_EXB18V]  95.9 45.7 0 top
R42  R_4x33R_0201_array  [R_Array_4x0201_Panasonic_EXB18V]  97.9 45.7 0 top
R43  R_40R2_0402  [R_0402_1005Metric]  20 45.38 180 bottom
R44  R_4x33R_0201_array  [R_Array_4x0201_Panasonic_EXB18V]  99.9 45.7 0 top
R45  R_1k_0402  [R_0402_1005Metric]  82.6 28.25 90 top
R46  R_47k_0402  [R_0402_1005Metric]  106.13 5.74 90 top
R47  R_1k3_1206  [R_1206_3216Metric]  105.23 11.37 90 bottom
R48  R_49k9_0402  [R_0402_1005Metric]  102.1 10.95 90 bottom
R49  R_0R_0402  [R_0402_1005Metric]  103.1 10.94 90 bottom
R50  R_100k_0402  [R_0402_1005Metric]  78.52 32 90 top
R51  R_22k_0402  [R_0402_1005Metric]  74.8 26.6 180 top
R52  R_63R4_0603  [R_0603_1608Metric]  98.6 13.3 90 bottom
R53  R_1k2_0402  [R_0402_1005Metric]  101.1 10.95 90 bottom
R54  R_100R_0402  [R_0402_1005Metric]  74.8 27.65 180 top
R55  R_24k9_0402  [R_0402_1005Metric]  98.8 15.6 90 bottom
R56  R_1k_0402  [R_0402_1005Metric]  78.52 30.3 0 top
R57  R_1k_0402  [R_0402_1005Metric]  115.9 44.65 0 bottom
R58  R_1k_0402  [R_0402_1005Metric]  115.94 41.7 0 bottom
R59  R_1k_0402  [R_0402_1005Metric]  115.9 43.15 0 bottom
R60  R_0R_0402  [R_0402_1005Metric]  104.8 16.95 90 bottom
R61  R_4x33R_0201_array  [R_Array_4x0201_Panasonic_EXB18V]  101.25 52.3 90 bottom
R62  R_0R_0402  [R_0402_1005Metric]  47.6 12.2 180 bottom
R63  R_4x33R_0201_array  [R_Array_4x0201_Panasonic_EXB18V]  101.25 56.7 90 bottom
R64  R_10k_0402  [R_0402_1005Metric]  85.91 72.5 180 top
R65  R_10k_0402  [R_0402_1005Metric]  60.91 35.32 270 top
R66  R_10k_0402  [R_0402_1005Metric]  75.03 69.5 0 top
R67  R_10k_0402  [R_0402_1005Metric]  63.9 24.6 90 top
R68  R_10k_0402  [R_0402_1005Metric]  75.03 72.5 0 top
R69  R_10k_0402  [R_0402_1005Metric]  60.9 24.6 90 top
R70  R_100R_0402  [R_0402_1005Metric]  85.91 70.5 180 top
R71  R_100R_0402  [R_0402_1005Metric]  85.91 68.5 0 top
R72  R_100R_0402  [R_0402_1005Metric]  62.88 35.3 270 top
R73  R_100R_0402  [R_0402_1005Metric]  64.88 35.3 90 top
R74  R_0R_0402  [R_0402_1005Metric]  75.03 71.5 0 top
R75  R_0R_0402  [R_0402_1005Metric]  85.91 69.5 180 top
R76  R_0R_0402  [R_0402_1005Metric]  85.91 67.5 180 top
R77  R_0R_0402  [R_0402_1005Metric]  75.03 70.5 0 top
R78  R_0R_0402  [R_0402_1005Metric]  75.03 68.5 0 top
R79  R_0R_0402  [R_0402_1005Metric]  85.91 71.5 180 top
R80  R_0R_0402  [R_0402_1005Metric]  61.9 24.6 90 top
R81  R_0R_0402  [R_0402_1005Metric]  63.9 35.29 270 top
R82  R_0R_0402  [R_0402_1005Metric]  66.45 32.9 270 top
R83  R_0R_0402  [R_0402_1005Metric]  62.9 24.6 90 top
R84  R_0R_0402  [R_0402_1005Metric]  64.9 24.6 90 top
R85  R_0R_0402  [R_0402_1005Metric]  61.9 35.29 270 top
R86  R_10k_0402  [R_0402_1005Metric]  101.3 48.75 270 bottom
R87  R_10k_0402  [R_0402_1005Metric]  100.3 48.75 270 bottom
R88  R_10k_0402  [R_0402_1005Metric]  99.3 48.75 270 bottom
R89  R_10k_0402  [R_0402_1005Metric]  95 59.9 90 bottom
R90  R_10k_0402  [R_0402_1005Metric]  96.35 59.9 90 bottom
R91  R_10k_0402  [R_0402_1005Metric]  97.4 59.9 90 bottom
R92  R_10k_0402  [R_0402_1005Metric]  99 60.3 180 bottom
R93  R_10k_0402  [R_0402_1005Metric]  85.93 79.4 180 top
R94  R_10k_0402  [R_0402_1005Metric]  75.1 75.8 0 top
R95  R_10k_0402  [R_0402_1005Metric]  75.1 78.8 0 top
R96  R_100R_0402  [R_0402_1005Metric]  85.9 77.4 180 top
R97  R_100R_0402  [R_0402_1005Metric]  85.9 75.42 0 top
R98  R_100R_0402  [R_0402_1005Metric]  101 60.3 180 bottom
R99  R_0R_0402  [R_0402_1005Metric]  75.1 77.8 0 top
R100  R_0R_0402  [R_0402_1005Metric]  85.9 76.4 180 top
R101  R_0R_0402  [R_0402_1005Metric]  85.9 74.45 180 top
R102  R_0R_0402  [R_0402_1005Metric]  75.1 76.8 0 top
R103  R_0R_0402  [R_0402_1005Metric]  75.1 74.8 0 top
R104  R_0R_0402  [R_0402_1005Metric]  85.9 78.38 180 top
R105  R_0R_0402  [R_0402_1005Metric]  70.6 64.2 0 bottom
R106  R_1k_0402  [R_0402_1005Metric]  70.6 66.2 180 bottom
R107  R_1k_0402  [R_0402_1005Metric]  111.5 106.2 0 bottom
R108  R_1k_0402  [R_0402_1005Metric]  111.5 103.8 0 bottom
R109  R_1k_0402  [R_0402_1005Metric]  111.5 101.4 0 bottom
R110  R_1k_0402  [R_0402_1005Metric]  111.5 99 0 bottom
R111  R_1k_0402  [R_0402_1005Metric]  75.9 64.2 270 bottom
R112  R_100R_0402  [R_0402_1005Metric]  62.9 112.1 90 bottom
R113  R_100R_0402  [R_0402_1005Metric]  65.5 112.1 90 bottom
R114  R_100R_0402  [R_0402_1005Metric]  68.1 112.1 90 bottom
R115  R_100R_0402  [R_0402_1005Metric]  70.7 112.1 90 bottom
R116  R_100R_0402  [R_0402_1005Metric]  87.6 105.3 270 bottom
R117  R_100R_0402  [R_0402_1005Metric]  90.2 105.3 270 bottom
R118  R_100R_0402  [R_0402_1005Metric]  92.7 105.3 270 bottom
R119  R_100R_0402  [R_0402_1005Metric]  95.3 105.4 270 bottom
R120  R_100R_0402  [R_0402_1005Metric]  64.2 112.1 270 bottom
R121  R_100R_0402  [R_0402_1005Metric]  66.8 112.1 270 bottom
R122  R_100R_0402  [R_0402_1005Metric]  69.4 112.1 270 bottom
R123  R_100R_0402  [R_0402_1005Metric]  72 112.1 270 bottom
R124  R_100R_0402  [R_0402_1005Metric]  86.3 105.3 90 bottom
R125  R_100R_0402  [R_0402_1005Metric]  88.9 105.3 90 bottom
R126  R_100R_0402  [R_0402_1005Metric]  91.5 105.3 90 bottom
R127  R_100R_0402  [R_0402_1005Metric]  94.1 105.3 90 bottom
R128  R_1k_0402  [R_0402_1005Metric]  111.5 96.6 0 bottom
R129  R_1k_0402  [R_0402_1005Metric]  111.5 94.2 0 bottom
R130  R_1k_0402  [R_0402_1005Metric]  111.5 111 0 bottom
R131  R_1k_0402  [R_0402_1005Metric]  111.5 108.6 0 bottom
R132  4x10k_0201_array  [R_Array_4x0201_Panasonic_EXB18V]  105.2 116.6 180 bottom
R133  4x10k_0201_array  [R_Array_4x0201_Panasonic_EXB18V]  109.19 116.6 180 bottom
R134  R_100R_0402  [R_0402_1005Metric]  36.8 105.2 90 bottom
R135  R_100R_0402  [R_0402_1005Metric]  38.1 105.2 90 bottom
R136  R_100R_0402  [R_0402_1005Metric]  39.36 105.2 90 bottom
R137  R_100R_0402  [R_0402_1005Metric]  40.6 105.2 90 bottom
R138  R_100R_0402  [R_0402_1005Metric]  41.9 105.2 90 bottom
R139  R_100R_0402  [R_0402_1005Metric]  43.1 105.2 90 bottom
R140  R_10k_0402  [R_0402_1005Metric]  116.8 110.6 270 bottom
R141  R_10k_0402  [R_0402_1005Metric]  116.8 106 270 bottom
R142  R_100R_0402  [R_0402_1005Metric]  35.5 110.2 90 bottom
R143  R_100R_0402  [R_0402_1005Metric]  36.8 110.2 90 bottom
R144  R_100R_0402  [R_0402_1005Metric]  39.36 110.2 90 bottom
R145  R_100R_0402  [R_0402_1005Metric]  40.6 110.2 90 bottom
R146  R_100R_0402  [R_0402_1005Metric]  41.9 110.2 90 bottom
R147  R_100R_0402  [R_0402_1005Metric]  43.1 110.2 90 bottom
R148  R_10k_0402  [R_0402_1005Metric]  116.8 101.4 270 bottom
R149  R_10k_0402  [R_0402_1005Metric]  116.8 96.8 270 bottom
R150  R_330R_0402  [R_0402_1005Metric]  114.7 50.5 90 top
R151  R_330R_0402  [R_0402_1005Metric]  114.7 52.4 90 top
R152  R_330R_0402  [R_0402_1005Metric]  114.7 54.4 90 top
R153  R_330R_0402  [R_0402_1005Metric]  114.7 56.3 270 top
R154  R_33R_0402  [R_0402_1005Metric]  49.9 80.75 180 top
R155  R_33R_0402  [R_0402_1005Metric]  49.9 81.75 180 top
R156  R_10k_0402  [R_0402_1005Metric]  49.93 79.18 0 top
R157  R_10k_0402  [R_0402_1005Metric]  44.3 77.5 180 top
R158  R_10k_0402  [R_0402_1005Metric]  110.3 56.3 270 top
R159  R_10k_0402  [R_0402_1005Metric]  104.44 56.16 0 top
R160  R_12k_0402  [R_0402_1005Metric]  104.44 53.16 180 top
R161  R_33R_0402  [R_0402_1005Metric]  92.5 56.1 0 bottom
R162  R_33R_0402  [R_0402_1005Metric]  92.5 55.1 0 bottom
R163  R_33R_0402  [R_0402_1005Metric]  92.5 50.9 180 bottom
R164  R_33R_0402  [R_0402_1005Metric]  96.6 48.4 270 top
R165  R_0R_0402  [R_0402_1005Metric]  92.35 46.95 270 bottom
R166  R_47k_0402  [R_0402_1005Metric]  92.35 48.95 90 bottom
R167  R_10k_0402  [R_0402_1005Metric]  103.6 19.1 90 bottom
R168  R_100k_0402  [R_0402_1005Metric]  92.3 75.7 90 bottom
R169  R_15k_0402  [R_0402_1005Metric]  116 65.3 180 bottom
R170  R_15k_0402  [R_0402_1005Metric]  116 62.3 180 bottom
R171  R_1k5_0402  [R_0402_1005Metric]  116 64.3 0 bottom
R172  R_1k5_0402  [R_0402_1005Metric]  116 63.3 0 bottom
R173  R_33R_0402  [R_0402_1005Metric]  109.6 63.5 180 top
R174  R_33R_0402  [R_0402_1005Metric]  109.6 62.5 180 top
R175  R_47k_0402  [R_0402_1005Metric]  88.8 62.2 90 top
R176  R_33R_0402  [R_0402_1005Metric]  86.2 57.45 180 top
R177  R_33R_0402  [R_0402_1005Metric]  86.2 58.45 180 top
R178  R_33R_0402  [R_0402_1005Metric]  86.2 59.45 180 top
R179  R_33R_0402  [R_0402_1005Metric]  86.2 60.45 180 top
R180  R_0R_0402  [R_0402_1005Metric]  88.65 48.3 90 top
R181  R_0R_0402  [R_0402_1005Metric]  87.65 48.3 270 top
R182  R_33R_0402  [R_0402_1005Metric]  86.35 43.55 180 top
R183  R_33R_0402  [R_0402_1005Metric]  86.35 44.55 180 top
R184  R_33R_0402  [R_0402_1005Metric]  86.35 45.55 180 top
R185  R_33R_0402  [R_0402_1005Metric]  86.35 46.55 180 top
R186  R_0R_0402  [R_0402_1005Metric]  89 55.3 90 top
R187  R_0R_0402  [R_0402_1005Metric]  88 55.3 270 top
R188  R_0R_0402  [R_0402_1005Metric]  86 51 180 top
R189  R_0R_0402  [R_0402_1005Metric]  86 53.6 0 top
R190  R_10k_0402  [R_0402_1005Metric]  111.7 59.3 0 top
R191  R_10k_0402  [R_0402_1005Metric]  109.6 59.3 0 top
R192  R_10k_0402  [R_0402_1005Metric]  109.6 60.3 0 top
R193  R_4k7_0402  [R_0402_1005Metric]  86 50 180 top
R194  R_10k_0402  [R_0402_1005Metric]  83.8 42.1 0 bottom
R195  R_10k_0402  [R_0402_1005Metric]  83.8 41.1 0 bottom
R196  R_4k7_0402  [R_0402_1005Metric]  86 54.6 180 top
R197  R_10k_0402  [R_0402_1005Metric]  68.4 40.2 0 top
R198  R_1k_0402  [R_0402_1005Metric]  68.4 42.2 0 top
R199  R_10k_0402  [R_0402_1005Metric]  45.69 98.15 180 bottom
R200  R_10k_0402  [R_0402_1005Metric]  45.69 97.15 180 bottom
R201  R_10k_0402  [R_0402_1005Metric]  45.69 96.15 180 bottom
R202  R_10k_0402  [R_0402_1005Metric]  45.69 95.15 180 bottom
R203  R_10k_0402  [R_0402_1005Metric]  45.69 93.15 180 bottom
R204  R_10k_0402  [R_0402_1005Metric]  53.2 99.2 90 bottom
R205  R_10k_0402  [R_0402_1005Metric]  52.2 99.2 90 bottom
R206  R_10k_0402  [R_0402_1005Metric]  48.99 90.75 270 bottom
R207  R_10k_0402  [R_0402_1005Metric]  45.69 94.15 180 bottom
R208  R_10k_0402  [R_0402_1005Metric]  50.89 90.75 270 bottom
R209  R_2k2_0402  [R_0402_1005Metric]  48.49 98.45 0 bottom
R210  R_2k2_0402  [R_0402_1005Metric]  48.49 97.45 0 bottom
R211  R_2k2_0402  [R_0402_1005Metric]  48.49 96.45 0 bottom
R212  R_2k2_0402  [R_0402_1005Metric]  48.49 95.45 0 bottom
R213  R_2k2_0402  [R_0402_1005Metric]  45.69 92.15 180 bottom
R214  R_2k2_0402  [R_0402_1005Metric]  53.2 97.3 270 bottom
R215  R_2k2_0402  [R_0402_1005Metric]  52.2 97.3 270 bottom
R216  R_2k2_0402  [R_0402_1005Metric]  48.99 93.05 90 bottom
R217  R_2k2_0402  [R_0402_1005Metric]  48.49 94.45 0 bottom
R218  R_2k2_0402  [R_0402_1005Metric]  50.89 93.05 90 bottom
R219  R_10k_0402  [R_0402_1005Metric]  69.75 41.78 180 bottom
R220  R_10k_0402  [R_0402_1005Metric]  75.63 41.8 0 bottom
R221  R_10k_0402  [R_0402_1005Metric]  73.59 41.8 180 bottom
R222  R_10k_0402  [R_0402_1005Metric]  71.72 41.8 0 bottom
R223  R_10k_0402  [R_0402_1005Metric]  79 35.8 0 bottom
R224  R_10k_0402  [R_0402_1005Metric]  77.1 35.8 180 bottom
R225  R_2k2_0402  [R_0402_1005Metric]  69.75 40.78 180 bottom
R226  R_2k2_0402  [R_0402_1005Metric]  75.63 40.78 0 bottom
R227  R_2k2_0402  [R_0402_1005Metric]  73.59 40.8 180 bottom
R228  R_2k2_0402  [R_0402_1005Metric]  71.72 40.78 0 bottom
R229  R_2k2_0402  [R_0402_1005Metric]  79 34.8 0 bottom
R230  R_2k2_0402  [R_0402_1005Metric]  77.1 34.8 180 bottom
R231  R_10R_0402  [R_0402_1005Metric]  68.4 39.2 0 top
R232  R_10R_0402  [R_0402_1005Metric]  68.4 38.2 0 top
R233  R_10R_0402  [R_0402_1005Metric]  68.4 37.2 0 top
R234  R_10R_0402  [R_0402_1005Metric]  68.4 41.2 0 top
R235  R_10R_0402  [R_0402_1005Metric]  71.08 43.8 270 bottom
R236  R_10R_0402  [R_0402_1005Metric]  73.2 43.8 270 bottom
R237  R_10R_0402  [R_0402_1005Metric]  74.2 43.8 270 bottom
